# Altium PCB PicoPrint.PcbDoc (part 3 of 3)
Units mm, origin at the board's own origin, x right, y up, seen from the top; angles counter-clockwise.
Board outline 110 x 64 mm, 4 copper layers (Component Side, Ground Plane, Power Plane, Solder Side), stack 0.844 mm thick; 295 components, 209 nets, 1313 pads, 473 vias.
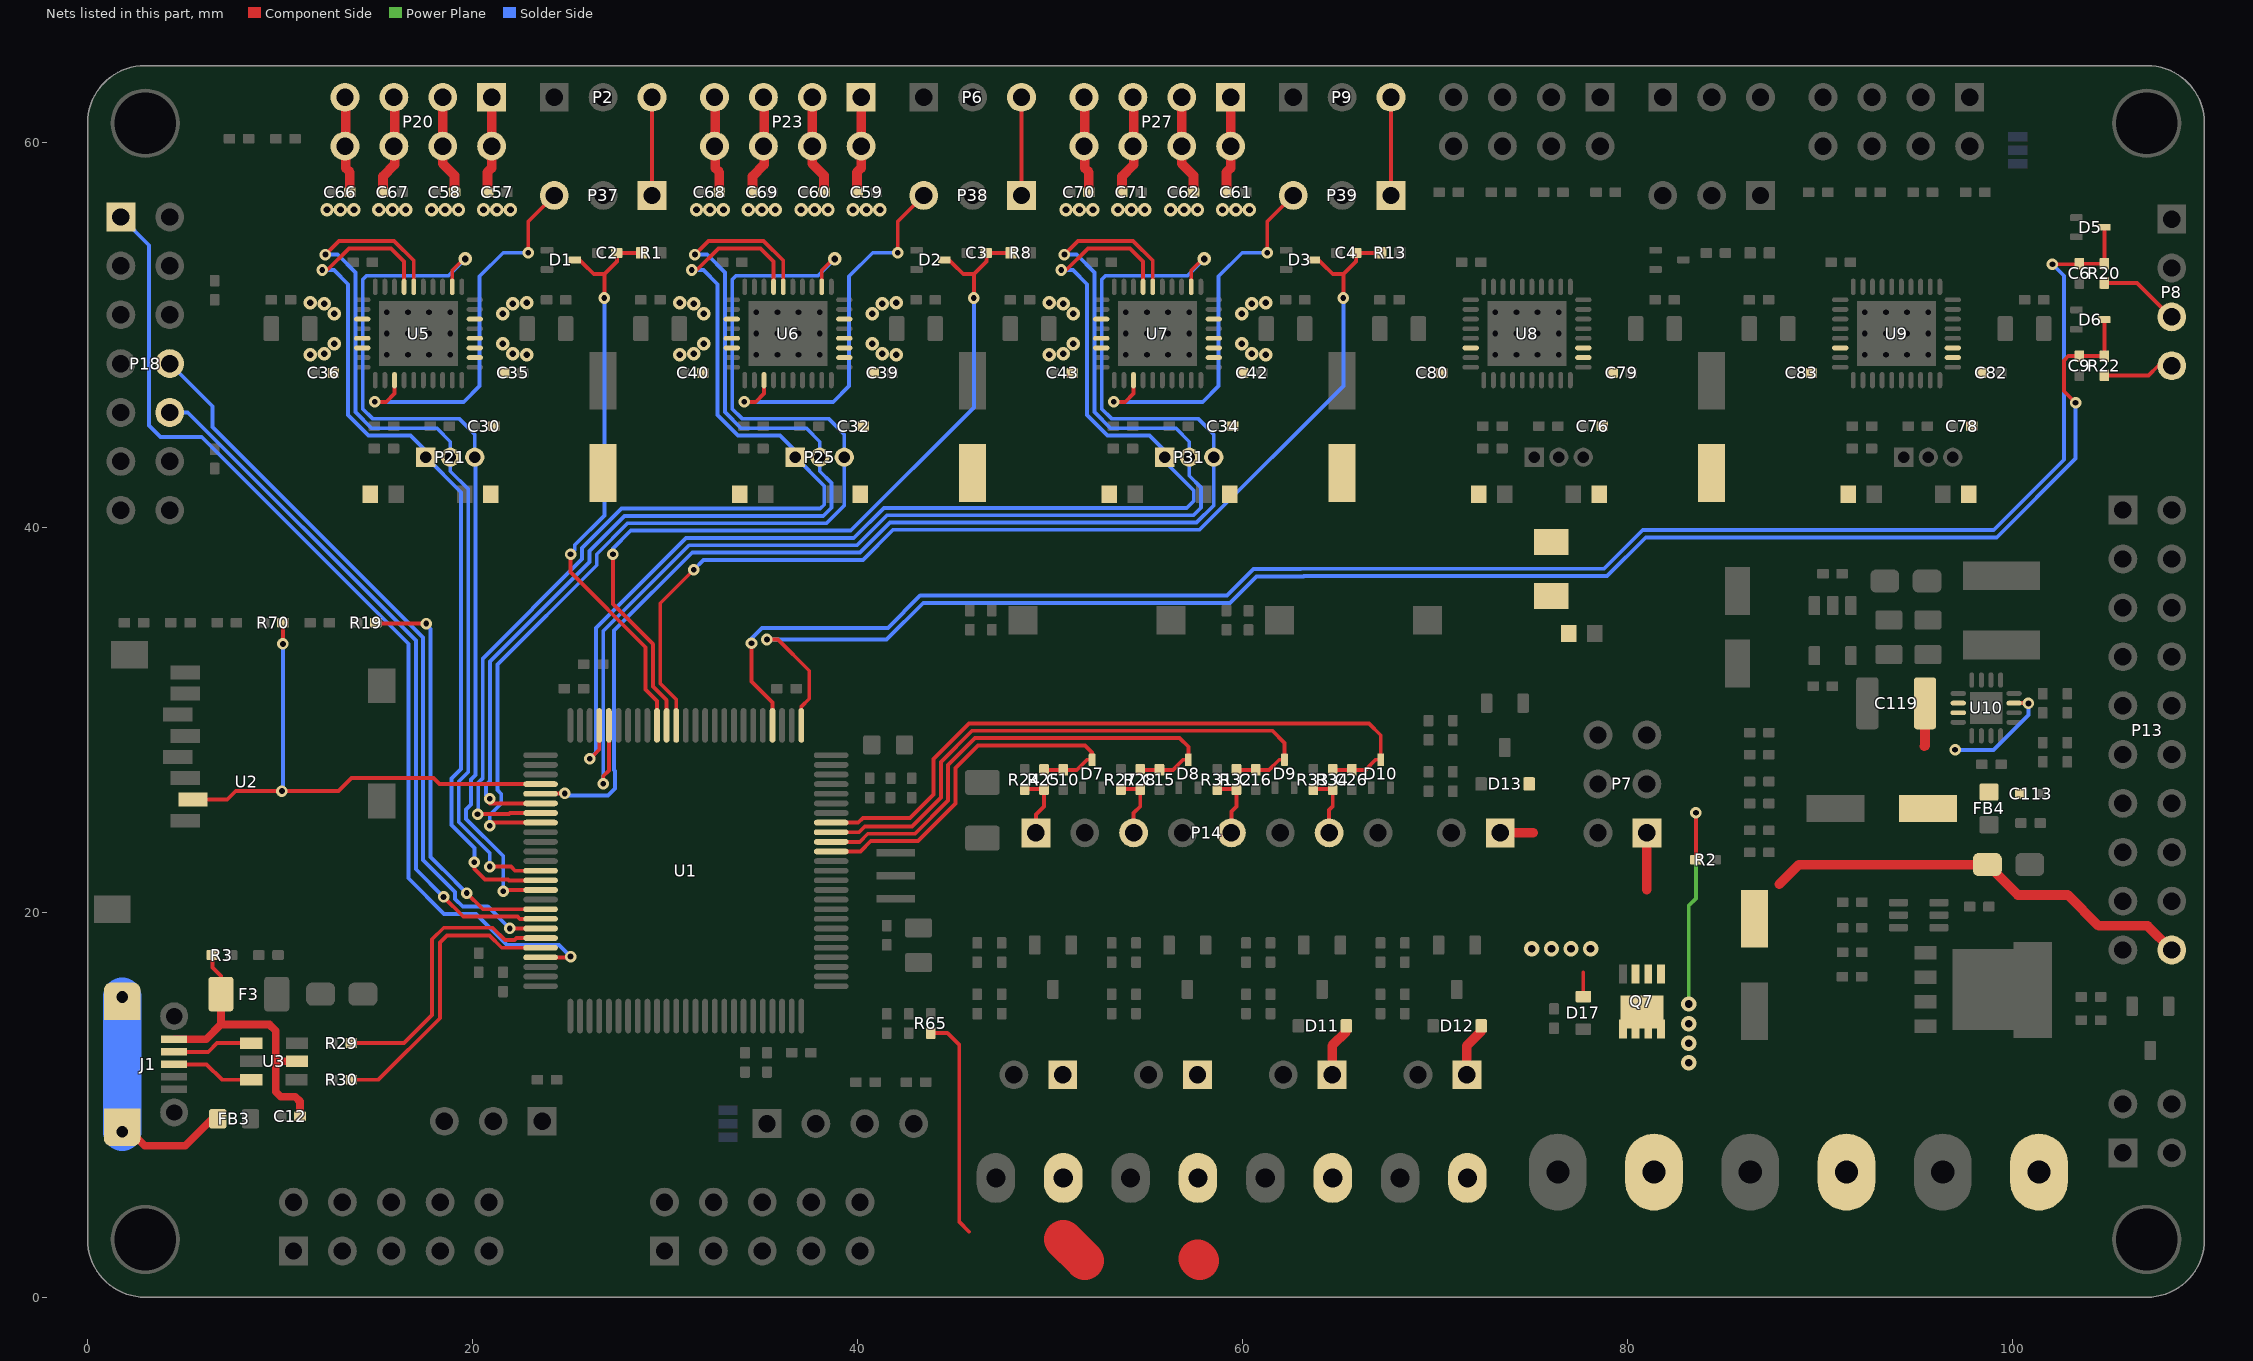
[diagram p5: the nets of this part, all layers, seen from the top]

## Via types
v1: diameter 0.6, hole 0.3, Component Side to Solder Side, tented both sides, 217 vias
v2: diameter 0.7, hole 0.35, Component Side to Solder Side, tented both sides, 180 vias
v3: diameter 0.8, hole 0.4, Component Side to Solder Side, tented both sides, 76 vias

## Nets (pads, with @x,y where several pads share a name; then routed paths per layer and width w, separated by ;. In a path a pad name is that pad's centre, name@x,y a point inside that pad or via, vN(x,y) a via of type N, cw(c..) or ccw(c..) an arc to the next point about the centre after c; other vN are vias at no path point) (continued)
SWDIO: P18.1 U1.72 | length 53.5
  Component Side w0.2: U1.72@23.54,17.66 25.06,17.66 v1(25.1,17.7)
  Solder Side w0.2: P18.1@1.73,56.13 3.2,54.66 3.2,45.3 3.8,44.7 5.937,44.7 16.68,33.957 16.68,21.771 18.531,19.92 20.18,19.92 21.8,18.3 24.5,18.3 v1(25.1,17.7)
THERM0_ADC: C10.2 D7.3 R25.2 U1.15 | length 20.2
  Component Side w0.2: U1.15@38.64,23.16 40.16,23.16 40.7,23.7 43.15,23.7 45.1,25.65 45.1,27.5 46.275,28.675 51.825,28.675 52.2,28.3 D7.3@52.2,27.925 51.925,27.925 51.4,27.4 C10.2@50.7,27.4 R25.2@49.7,27.4
THERM0_CONN: P14.1 R24.1 R25.1 | length 3.4
  Component Side w0.2: R24.1@48.7,26.4 R25.1@49.7,26.4 49.7,25.5 49.276,25.076 P14.1@49.276,24.13
THERM1_ADC: C15.2 D8.3 R28.2 U1.16 | length 25.5
  Component Side w0.2: U1.16@38.64,23.66 40.123,23.66 40.543,24.08 42.992,24.08 44.72,25.808 44.72,27.657 46.118,29.055 56.745,29.055 57.2,28.6 D8.3@57.2,27.925 56.925,27.925 56.4,27.4 C15.2@55.7,27.4 R28.2@54.7,27.4
THERM1_CONN: P14.3 R27.1 R28.1 | length 3.4
  Component Side w0.2: R27.1@53.7,26.4 R28.1@54.7,26.4 54.7,25.5 54.356,25.156 P14.3@54.356,24.13
THERM2_ADC: C16.2 D9.3 R32.2 U1.17 | length 30.7
  Component Side w0.2: U1.17@38.64,24.16 40.085,24.16 40.385,24.46 42.835,24.46 44.34,25.965 44.34,27.815 45.96,29.435 61.565,29.435 62.2,28.8 D9.3@62.2,27.925 61.925,27.925 61.4,27.4 C16.2@60.7,27.4 R32.2@59.7,27.4
THERM2_CONN: P14.5 R31.1 R32.1 | length 3.4
  Component Side w0.2: R31.1@58.7,26.4 R32.1@59.7,26.4 59.7,25.5 59.436,25.236 P14.5@59.436,24.13
THERM3_ADC: C26.2 D10.3 R34.2 U1.18 | length 36
  Component Side w0.2: U1.18@38.64,24.66 40.048,24.66 40.288,24.9 42.737,24.9 43.96,26.123 43.96,27.972 45.803,29.815 66.585,29.815 67.2,29.2 D10.3@67.2,27.925 66.925,27.925 66.4,27.4 C26.2@65.7,27.4 R34.2@64.7,27.4
THERM3_CONN: P14.7 R33.1 R34.1 | length 3.3
  Component Side w0.2: R33.1@63.7,26.4 R34.1@64.7,26.4 64.7,25.5 64.516,25.316 P14.7@64.516,24.13
USART1_RX: P18.8 U1.69 | length 39
  Component Side w0.2: v1(21.94,19.16) U1.69@23.54,19.16
  Solder Side w0.2: P18.8@4.27,48.51 6.488,46.292 6.488,45.225 17.44,34.272 17.44,22.708 19.1,21.048 19.1,20.7 19.5,20.3 20.8,20.3 v1(21.94,19.16)
USART1_TX: P18.10 U1.68 | length 37.1
  Component Side w0.2: v1(18.5,20.8) 19.52,19.78 22.34,19.78 22.46,19.66 U1.68@23.54,19.66
  Solder Side w0.2: P18.10@4.27,45.97 5.205,45.97 17.06,34.115 17.06,22.24 v1(18.5,20.8)
USB_D_N: R29.2 U1.70 | length 14.9
  Component Side w0.2: R29.2@13.7,13.208 16.452,13.208 17.907,14.663 17.907,18.6 18.507,19.2 21.051,19.2 21.691,18.56 22.189,18.56 22.289,18.66 U1.70@23.54,18.66
USB_D_P: R30.2 U1.71 | length 15.5
  Component Side w0.2: R30.2@13.7,11.303 15.113,11.303 18.307,14.497 18.307,18.434 18.673,18.8 20.886,18.8 21.526,18.16 U1.71@23.54,18.16
USB_N: J1.D- U3.1 | length 4.2
  Component Side w0.2: J1.D-@4.5,12.75 6.273,12.75 6.726,13.203 U3.1@8.509,13.203
USB_P: J1.D+ U3.3 | length 4.3
  Component Side w0.2: J1.D+@4.5,12.1 6.188,12.1 6.985,11.303 U3.3@8.509,11.303
USB_SHLD: FB3.1 J1.SHIELD | length 13
  Component Side w0.4: J1.SHIELD@1.8,9.05 2.976,7.874 5.08,7.874 6.477,9.271 FB3.1@6.77,9.271
  Solder Side w2: J1.SHIELD@1.8,8.6 J1.SHIELD@1.8,15.6
USD_CD: R19.1 U1.67 | length 21.7
  Component Side w0.2: R19.1@14.978,35.052 15.03,35 v1(17.6,35) ; v1(19.7,21) 20.54,20.16 U1.67@23.54,20.16
  Solder Side w0.2: v1(17.6,35) 17.6,34.937 17.819,34.719 17.82,34.717 17.82,22.866 18.443,22.243 18.457,22.243 v1(19.7,21)
USD_CS: R70.1 U1.54 U2.2 | length 27.4
  Component Side w0.2: U2.2@5.48,25.857 7.257,25.857 7.7,26.3 v1(10.1,26.3) 13.04,26.3 13.723,26.983 17.969,26.983 18.291,26.66 U1.54@23.54,26.66 ; v1(10.152,33.948) R70.1@10.152,35.052
  Solder Side w0.2: v1(10.1,26.3) 10.152,26.352 v1(10.152,33.948)
V_BED: P4.2 P11.2
V_IN: P1.2 Q7.5 Q7.6 Q7.7 Q7.8 Q7.9 R2.2 | length 12.5
  Component Side w0.2: R2.2@83.574,22.733 v1(83.574,25.174)
  Power Plane w0.2: v3(83.2,15.233) 83.2,20.352 83.574,20.726 v1(83.574,25.174)
  other v3: 83.2,12.185 83.2,13.201 83.2,14.217
V_MAIN: C110.2 C112.1 D11.K D12.K D13.K D15.A D17.K FB2.1 P7.1 P12.1 P13.20 P15.1 P16.1 P17.1 P19.1 P22.1 P24.1 P26.1 P32.1 Q7.1 Q7.2 Q7.3 R65.2 | length 47.7
  Component Side w0.2: R65.2@43.815,13.724 44.676,13.724 45.3,13.1 45.3,3.9 45.8,3.4 ; FB2.1@75.818,36.203 FB2.1@76.061,36.446 ; D17.K@77.724,15.621 77.724,16.869
  Component Side w0.5: P19.1@64.673,11.557 64.673,13.073 65.415,13.815 D11.K@65.415,14.097 ; P24.1@71.673,11.557 71.673,13.073 D12.K@72.415,13.815 ; P32.1@73.406,24.13 75.13,24.13 ; 81.026,21.174 P7.1@81.026,24.13 ; 87.899,21.456 88.922,22.479 D15.A@98.722,22.479 100.301,20.9 102.9,20.9 104.5,19.3 107.04,19.3 P13.20@108.3,18.04
  Component Side w1: P15.1@50.673,6.228 P15.1@50.701,6.2
  Component Side w2: 50.701,3.02 51.816,1.905 ; 57.701,1.989 57.785,1.905
  other v3: 75.052,18.1 76.068,18.1 77.084,18.1 78.1,18.1
V_MOT: C30.1 C32.1 C34.1 C35.1 C36.1 C37.2 C38.2 C39.1 C40.1 C41.2 C42.1 C43.1 C44.2 C76.1 C78.1 C79.1 C80.1 C81.2 C82.1 C83.1 C84.2 C93.1 C94.1 C95.1 C96.1 C114.2 C125.2 C126.2 C127.2 FB2.2 U5.16 U5.30 U5.31 U6.16 U6.30 U6.31 U7.16 U7.30 U7.31 U8.16 U8.30 U8.31 U9.16 U9.30 U9.31
V_REG: C113.2 C118.1 C119.2 FB4.2 U10.2 U10.3 U10.11 | length 8.3
  Component Side w0.2: U10.11@100.107,30.87 100.837,30.87 v1(100.853,30.854)
  Component Side w0.5: 95.441,28.623 95.48,28.662 C119.2@95.48,30.861 ; FB4.2@98.806,26.25 FB4.2@98.894,26.162
  Solder Side w0.2: v1(97.043,28.441) 99.041,28.441 100.853,30.253 v1(100.853,30.854)
V_USB: C12.2 F3.1 J1.VBUS R3.2 U3.5 | length 16.1
  Component Side w0.2: R3.2@6.485,17.78 6.485,17.137 6.932,16.69 F3.1@6.932,15.748
  Component Side w0.4: J1.VBUS@4.5,13.4 6.161,13.4 6.932,14.171 ; F3.1@6.932,15.748 6.932,14.171 ; U3.5@10.884,12.253 9.845,12.253 9.779,12.319 ; C12.2@11.041,9.398 11.041,10.168 10.795,10.414 10.033,10.414 9.779,10.668 9.779,12.319 ; 6.932,14.171 9.451,14.171 9.779,13.843 9.779,12.319
X_CS: P21.3 U1.65 U5.2 | length 47.7
  Component Side w0.2: U5.2@18.95,52.5 18.954,52.504 18.954,53.354 19.588,53.987 19.625,54.025 v2(19.625,53.95) ; v1(21.6,21.1) 21.54,21.16 U1.65@23.54,21.16
  Solder Side w0.2: v2@19.625,54.025 v2(19.625,53.95) 18.75,53.075 14.5,53.075 14.3,52.875 14.3,46.15 14.8,45.65 16.2,45.65 19.3,45.65 20.12,44.83 P21.3@20.12,43.65 20.16,43.61 20.16,27.137 19.92,26.897 19.92,25.6 19.669,25.349 19.669,24.851 21.6,22.92 v1(21.6,21.1)
X_DIAG1: P37.3 U5.21 | length 20
  Component Side w0.2: v1(14.925,46.525) 15.525,46.525 15.95,46.95 U5.21@15.95,47.65 ; v1(22.9,54.275) 22.9,55.9 P37.3@24.25,57.25
  Solder Side w0.2: v1(14.925,46.525) 19.55,46.525 20.375,47.35 20.375,53.05 21.6,54.275 v1(22.9,54.275)
X_DIR: P21.1 U1.64 U5.7 | length 46.4
  Component Side w0.2: v1(12.193,53.375) 12.455,53.375 13.58,54.5 15.775,54.5 16.45,53.825 U5.7@16.45,52.5 ; v1(20.1,22.6) 20.1,22.251 20.651,21.7 21.848,21.7 21.888,21.66 U1.64@23.54,21.66
  Solder Side w0.2: v1(12.193,53.375) 12.8,53.375 13.54,52.635 13.54,45.835 14.606,44.77 16.78,44.77 17.58,43.97 P21.1@17.58,43.65 19.4,41.83 19.4,27.451 18.909,26.96 18.909,24.537 20.1,23.345 v1(20.1,22.6)
X_MOT_1A: C58.2 P20.3 P20.4 U5.32 | length 5.2
  Component Side w0.5: P20.3@18.46,62.35 P20.4@18.46,59.81 18.46,58.89 19.067,58.283 C58.2@19.067,57.414
  other v2: 22.825,48.975 22.1,49.025 21.575,49.55 17.876,56.5 18.576,56.5 19.276,56.5
X_MOT_1B: C57.2 P20.1 P20.2 U5.34 | length 5
  Component Side w0.5: C57.2@20.784,57.414 20.784,58.459 21,58.675 P20.2@21,59.81 P20.1@21,62.35
  other v2: 21.575,51.1 22.1,51.625 22.825,51.675 20.575,56.5 21.275,56.5 21.975,56.5
X_MOT_2A: C67.1 P20.5 P20.6 U5.13 | length 5.3
  Component Side w0.25: C67.1@15.271,57.414 C67.1@15.351,57.414
  Component Side w0.5: C67.1@15.355,57.375 15.355,58.244 15.962,58.851 P20.5@15.962,62.311
  other v2: 12.825,51.1 12.3,51.625 11.575,51.675 15.142,56.5 15.842,56.5 16.542,56.5
X_MOT_2B: C66.1 P20.7 P20.8 U5.15 | length 5.1
  Component Side w0.25: C66.1@13.554,57.414 C66.1@13.634,57.414
  Component Side w0.5: P20.7@13.418,62.35 13.418,58.675 13.634,58.459 C66.1@13.634,57.414
  other v2: 11.575,48.975 12.3,49.025 12.825,49.55 12.443,56.5 13.143,56.5 13.843,56.5
X_STEP: P21.2 U1.63 U5.6 | length 47.5
  Component Side w0.2: v1(12.363,54.175) 13.068,54.88 15.932,54.88 16.95,53.862 U5.6@16.95,52.5 ; v1(20.9,22.375) 22,22.375 22.215,22.16 U1.63@23.54,22.16 U1.63@23.52,22.18
  Solder Side w0.2: v1(12.363,54.175) 13,54.175 13.92,53.255 13.92,45.993 14.763,45.15 18.15,45.15 18.85,44.45 P21.2@18.85,43.65 18.85,42.917 19.78,41.987 19.78,27.294 19.289,26.803 19.289,24.694 20.9,23.083 v1(20.9,22.375)
X_STOP: C2.2 D1.3 R1.2 U1.41 | length 30.3
  Component Side w0.2: v1(25.1,38.6) 25.1,37.675 29,33.775 29,31.575 29.59,30.985 U1.41@29.59,29.71 ; D1.3@25.616,53.852 25.832,53.636 ; 25.747,53.722 26.304,53.164 26.854,53.164 ; v1(26.854,51.921) 26.854,53.164 ; R1.2@28.788,54.26 C2.2@27.51,54.26 27.51,53.82 26.854,53.164
  Solder Side w0.2: v1(25.1,38.6) 25.32,38.82 25.32,39.081 26.854,40.615 v1(26.854,51.921)
X_STOP_CONN: P2.3 P37.1 | length 5.1
  Component Side w0.2: P37.1@29.33,57.25 P2.3@29.33,62.35
Y_CS: P25.3 U1.58 U6.2 | length 57.8
  Component Side w0.2: v1(20.9,24.5) 20.9,24.6 20.96,24.66 U1.58@23.54,24.66 ; U6.2@38.15,52.5 38.154,52.504 38.154,53.354 38.788,53.987 38.825,54.025 v2(38.825,53.95)
  Solder Side w0.2: v1(20.9,24.5) 20.9,25.051 21.5,25.651 21.5,26.148 21.3,26.348 21.3,32.877 26.46,38.037 26.46,38.609 28.066,40.215 38.39,40.215 39.32,41.145 P25.3@39.32,43.65 39.32,44.83 38.5,45.65 35.4,45.65 34,45.65 33.5,46.15 33.5,52.875 33.7,53.075 37.95,53.075 v2(38.825,53.95) v2@38.825,54.025
Y_DIAG1: P38.3 U6.21 | length 20
  Component Side w0.2: v1(34.125,46.525) 34.725,46.525 35.15,46.95 U6.21@35.15,47.65 ; v1(42.1,54.275) 42.1,55.9 P38.3@43.45,57.25
  Solder Side w0.2: v1(34.125,46.525) 38.75,46.525 39.575,47.35 39.575,53.05 40.8,54.275 v1(42.1,54.275)
Y_DIR: P25.1 U1.57 U6.7 | length 55.9
  Component Side w0.2: v1(20.269,25.1) 21.9,25.1 21.96,25.16 U1.57@23.54,25.16 ; v1(31.393,53.375) 31.655,53.375 32.78,54.5 34.975,54.5 35.65,53.825 U6.7@35.65,52.5
  Solder Side w0.2: v1(20.269,25.1) 20.269,25.251 20.3,25.282 20.3,26.739 20.54,26.979 20.54,33.191 25.7,38.351 25.7,38.923 27.752,40.975 38.075,40.975 38.28,41.18 38.28,42.15 P25.1@36.78,43.65 36.78,43.97 35.98,44.77 33.806,44.77 32.74,45.835 32.74,52.635 32,53.375 v1(31.393,53.375)
Y_MOT_1A: C60.2 P23.3 P23.4 U6.32 | length 5.2
  Component Side w0.5: P23.3@37.66,62.35 P23.4@37.66,59.81 37.66,58.89 38.267,58.283 C60.2@38.267,57.414
  other v2: 42.025,48.975 41.3,49.025 40.775,49.55 37.076,56.5 37.776,56.5 38.476,56.5
Y_MOT_1B: C59.2 P23.1 P23.2 U6.34 | length 5
  Component Side w0.5: C59.2@39.984,57.414 39.984,58.459 40.2,58.675 P23.2@40.2,59.81 P23.1@40.2,62.35
  other v2: 40.775,51.1 41.3,51.625 42.025,51.675 39.775,56.5 40.475,56.5 41.175,56.5
Y_MOT_2A: C69.1 P23.5 P23.6 U6.13 | length 5.3
  Component Side w0.25: C69.1@34.471,57.414 C69.1@34.551,57.414
  Component Side w0.5: C69.1@34.555,57.375 34.555,58.244 35.162,58.851 P23.5@35.162,62.311
  other v2: 32.025,51.1 31.5,51.625 30.775,51.675 34.342,56.5 35.042,56.5 35.742,56.5
Y_MOT_2B: C68.1 P23.7 P23.8 U6.15 | length 5.1
  Component Side w0.25: C68.1@32.754,57.414 C68.1@32.834,57.414
  Component Side w0.5: P23.7@32.618,62.35 32.618,58.675 32.834,58.459 C68.1@32.834,57.414
  other v2: 30.775,48.975 31.5,49.025 32.025,49.55 31.643,56.5 32.343,56.5 33.043,56.5
Y_STEP: P25.2 U1.56 U6.6 | length 56.4
  Component Side w0.2: v1@20.9,25.66 U1.56@23.54,25.66 ; v1(31.563,54.175) 32.268,54.88 35.132,54.88 36.15,53.862 U6.6@36.15,52.5
  Solder Side w0.2: v1(20.9,25.9) 20.7,26.1 20.7,26.602 20.92,26.822 20.92,33.034 26.08,38.194 26.08,38.766 27.909,40.595 38.232,40.595 38.66,41.023 38.66,42.307 38.05,42.917 P25.2@38.05,43.65 38.05,44.45 37.35,45.15 33.963,45.15 33.12,45.993 33.12,53.255 32.2,54.175 v1(31.563,54.175)
Y_STOP: C3.2 D2.3 R8.2 U1.40 | length 43.4
  Component Side w0.2: v1(27.3,38.6) 27.3,36.012 29.38,33.932 29.38,31.732 30.09,31.022 U1.40@30.09,29.71 ; D2.3@44.816,53.852 45.032,53.636 ; 44.947,53.722 45.504,53.164 46.054,53.164 ; v1(46.054,51.921) 46.054,53.164 ; R8.2@47.988,54.26 C3.2@46.71,54.26 46.71,53.82 46.054,53.164
  Solder Side w0.2: v1(27.3,38.6) 27.3,38.911 28.224,39.835 39.66,39.835 46.054,46.229 v1(46.054,51.921)
Y_STOP_CONN: P6.3 P38.1 | length 5.1
  Component Side w0.2: P38.1@48.53,57.25 P6.3@48.53,62.35
Z_CS: P31.3 U1.55 U7.2 | length 70.6
  Component Side w0.2: U1.55@23.54,26.16 23.555,26.175 v1(24.8,26.175) ; U7.2@57.35,52.5 57.354,52.504 57.354,53.354 57.988,53.987 58.025,54.025 v2(58.025,53.95)
  Solder Side w0.2: v1(24.8,26.175) 24.9,26.075 27.049,26.075 27.4,26.427 27.4,27.339 27.36,27.379 27.36,34.635 31.42,38.695 40.132,38.695 41.692,40.255 57.63,40.255 58.52,41.145 P31.3@58.52,43.65 58.52,44.83 57.7,45.65 54.6,45.65 53.2,45.65 52.7,46.15 52.7,52.875 52.9,53.075 57.15,53.075 v2(58.025,53.95) v2@58.025,54.025
Z_DIAG1: P39.3 U7.21 | length 20
  Component Side w0.2: v1(53.325,46.525) 53.925,46.525 54.35,46.95 U7.21@54.35,47.65 ; v1(61.3,54.275) 61.3,55.9 P39.3@62.65,57.25
  Solder Side w0.2: v1(53.325,46.525) 57.95,46.525 58.775,47.35 58.775,53.05 60,54.275 v1(61.3,54.275)
Z_DIR: P31.1 U1.47 U7.7 | length 65.5
  Component Side w0.2: v1(26.1,27.975) 26.59,28.465 U1.47@26.59,29.71 ; v1(50.593,53.375) 50.855,53.375 51.98,54.5 54.175,54.5 54.85,53.825 U7.7@54.85,52.5
  Solder Side w0.2: v1(26.1,27.975) 26.42,28.295 26.42,34.77 31.105,39.455 39.817,39.455 41.377,41.015 57.12,41.015 57.48,41.375 57.48,41.914 55.98,43.414 P31.1@55.98,43.65 55.98,43.97 55.18,44.77 53.006,44.77 51.94,45.835 51.94,52.635 51.2,53.375 v1(50.593,53.375)
Z_MOT_1A: C62.2 P27.3 P27.4 U7.32 | length 5.2
  Component Side w0.5: P27.3@56.86,62.35 P27.4@56.86,59.81 56.86,58.89 57.467,58.283 C62.2@57.467,57.414
  other v2: 61.225,48.975 60.5,49.025 59.975,49.55 56.276,56.5 56.976,56.5 57.676,56.5
Z_MOT_1B: C61.2 P27.1 P27.2 U7.34 | length 5
  Component Side w0.5: C61.2@59.184,57.414 59.184,58.459 59.4,58.675 P27.2@59.4,59.81 P27.1@59.4,62.35
  other v2: 59.975,51.1 60.5,51.625 61.225,51.675 58.975,56.5 59.675,56.5 60.375,56.5
Z_MOT_2A: C71.1 P27.5 P27.6 U7.13 | length 5.3
  Component Side w0.25: C71.1@53.671,57.414 C71.1@53.751,57.414
  Component Side w0.5: C71.1@53.755,57.375 53.755,58.244 54.362,58.851 P27.5@54.362,62.311
  other v2: 51.225,51.1 50.7,51.625 49.975,51.675 53.542,56.5 54.242,56.5 54.942,56.5
Z_MOT_2B: C70.1 P27.7 P27.8 U7.15 | length 5.1
  Component Side w0.25: C70.1@51.954,57.414 C70.1@52.034,57.414
  Component Side w0.5: P27.7@51.818,62.35 51.818,58.675 52.034,58.459 C70.1@52.034,57.414
  other v2: 49.975,48.975 50.7,49.025 51.225,49.55 50.843,56.5 51.543,56.5 52.243,56.5
Z_PROBE_A: C9.2 D6.3 R22.2 U1.26 | length 87.2
  Component Side w0.2: v1(35.3,34.175) 35.874,34.175 37.5,32.549 37.5,31.1 37.09,30.69 U1.26@37.09,29.71 ; v1(103.3,46.475) 102.7,47.075 102.7,48.675 102.925,48.9 C9.2@103.5,48.9 R22.2@104.8,48.9 D6.3@104.8,50.8
  Solder Side w0.2: v1(35.3,34.175) 41.524,34.175 43.424,36.075 59.361,36.075 60.741,37.455 63.187,37.455 63.207,37.475 78.962,37.475 80.967,39.48 99.205,39.48 103.3,43.575 v1(103.3,46.475)
Z_PROBE_A_CONN: P8.4 R22.1 | length 3.7
  Component Side w0.2: R22.1@104.8,47.9 107.1,47.9 107.6,48.4 P8.4@108.3,48.4
Z_PROBE_D: C6.2 D5.3 R20.2 U1.29 | length 92
  Component Side w0.2: v1(34.5,33.975) 34.5,32 35.59,30.91 U1.29@35.59,29.71 ; v1(102.1,53.675) 103.475,53.675 C6.2@103.5,53.7 R20.2@104.8,53.7 D5.3@104.8,55.6
  Solder Side w0.2: v1(34.5,33.975) 34.5,34.224 35.051,34.775 35.095,34.775 35.1,34.78 41.591,34.78 43.266,36.455 59.204,36.455 60.584,37.835 63.03,37.835 63.05,37.855 78.805,37.855 80.81,39.86 99.048,39.86 102.7,43.512 102.7,53.075 v1(102.1,53.675)
Z_PROBE_D_CONN: P8.3 R20.1 | length 4.2
  Component Side w0.2: R20.1@104.8,52.7 106.5,52.7 108.26,50.94 P8.3@108.3,50.94
Z_STEP: P31.2 U1.46 U7.6 | length 69.9
  Component Side w0.2: v1(26.8,26.675) 26.8,27.075 27.1,27.375 27.1,29.7 U1.46@27.09,29.71 ; v1(50.763,54.175) 51.468,54.88 54.332,54.88 55.35,53.862 U7.6@55.35,52.5
  Solder Side w0.2: v1(26.8,26.675) 26.8,34.612 31.263,39.075 39.975,39.075 41.535,40.635 57.472,40.635 57.86,41.023 57.86,42.072 57.25,42.682 P31.2@57.25,43.65 57.25,44.45 56.55,45.15 53.163,45.15 52.32,45.993 52.32,53.255 51.4,54.175 v1(50.763,54.175)
Z_STOP: C4.2 D3.3 R13.2 U1.39 | length 57
  Component Side w0.2: U1.39@30.59,29.71 30.59,31.06 29.76,31.89 29.76,36.06 v1(31.5,37.8) ; D3.3@64.016,53.852 64.232,53.636 ; 64.147,53.722 64.704,53.164 65.254,53.164 ; v1(65.254,51.921) 65.254,53.164 ; R13.2@67.188,54.26 C4.2@65.91,54.26 65.91,53.82 65.254,53.164
  Solder Side w0.2: v1(31.5,37.8) 32.015,38.315 40.29,38.315 41.85,39.875 57.787,39.875 65.254,47.342 v1(65.254,51.921)
Z_STOP_CONN: P9.3 P39.1 | length 5.1
  Component Side w0.2: P39.1@67.73,57.25 P9.3@67.73,62.35
pads on no net: C1.0 C2.0 C3.0 C4.0 C5.0 C6.0 C7.0 C8.0 C9.0 C10.0 C11.0 C12.0 C13.0 C14.0 C15.0 C16.0 C17.0 C18.0 C19.0 C20.0 C21.0 C22.0 C23.0 C24.0 C25.0 C26.0 C27.0 C29.0 C30.0 C31.0 C32.0 C33.0 C34.0 C35.0 C36.0 C39.0 C40.0 C42.0 C43.0 C45.0 C46.0 C48.0 C49.0 C50.0 C52.0 C53.0 C54.0 C56.0 C57.0 C58.0 C59.0 C60.0 C61.0 C62.0 C63.0 C64.0 C65.0 C66.0 C67.0 C68.0 C69.0 C70.0 C71.0 C72.0 C73.0 C74.0 C75.0 C76.0 C77.0 C78.0 C79.0 C80.0 C82.0 C83.0 C85.0 C86.0 C88.0 C89.0 C90.0 C92.0 C97.0 C98.0 C99.0 C100.0 C101.0 C102.0 C103.0 C104.0 C105.0 C106.0 C107.0 C108.0 C113.0 C115.0 C117.0 C119.0 C120.0 C121.0 C122.0 C123.0 C124.0 D1.0 D2.0 D3.0 D4.0 D5.0 D6.0 D7.0 D8.0 D9.0 D10.0 D11.0 D12.0 D13.0 D17.0 F1.0 F3.0 FB1.0 FB3.0 FB4.0 J1.4 J1.5 J1.6 J1.7 J1.ID LD1.0 LD2.0 LD3.0 LD4.0 LD5.0 LD6.0 LD7.0 LD8.0 LD9.0 LD10.0 LD11.0 LD12.0 LD13.0 MH1.M3 MH2.M3 MH3.M3 MH4.M3 P18.3 P18.5 Q1.0 Q2.0 Q3.0 Q4.0 Q8.0 Q9.0 R1.0 R2.0 R3.0 R4.0 R5.0 R6.0 R7.0 R8.0 R9.0 R10.0 R11.0 R12.0 R13.0 R14.0 R15.0 R16.0 R17.0 R18.0 R19.0 R20.0 R21.0 R22.0 R23.0 R24.0 R25.0 R26.0 R27.0 R28.0 R29.0 R30.0 R31.0 R32.0 R33.0 R34.0 R35.0 R36.0 R37.0 R38.0 R39.0 R40.0 R41.0 R42.0 R43.0 R44.0 R45.0 R46.0 R47.0 R48.0 R49.0 R50.0 R51.0 R52.0 R53.0 R54.0 R55.0 R56.0 R57.0 R58.0 R59.0 R60.0 R61.0 R62.0 R63.0 R64.0 R65.0 R66.0 R67.0 R68.0 R69.0 R70.0 U1.90 U1.91 U2.1 U2.8 U4.0 U4.5 U5.9 U5.10 U5.17 U5.19 U5.20 U5.23 U6.9 U6.10 U6.17 U6.19 U6.20 U6.23 U7.9 U7.10 U7.17 U7.19 U7.20 U7.23 U8.9 U8.10 U8.17 U8.19 U8.20 U8.23 U9.9 U9.10 U9.17 U9.19 U9.20 U9.23 U10.6 U10.7 U10.9 U11.0 U11.4